# Allegro board DPU_PoE_A1_Oct-9-26.brd (continued)
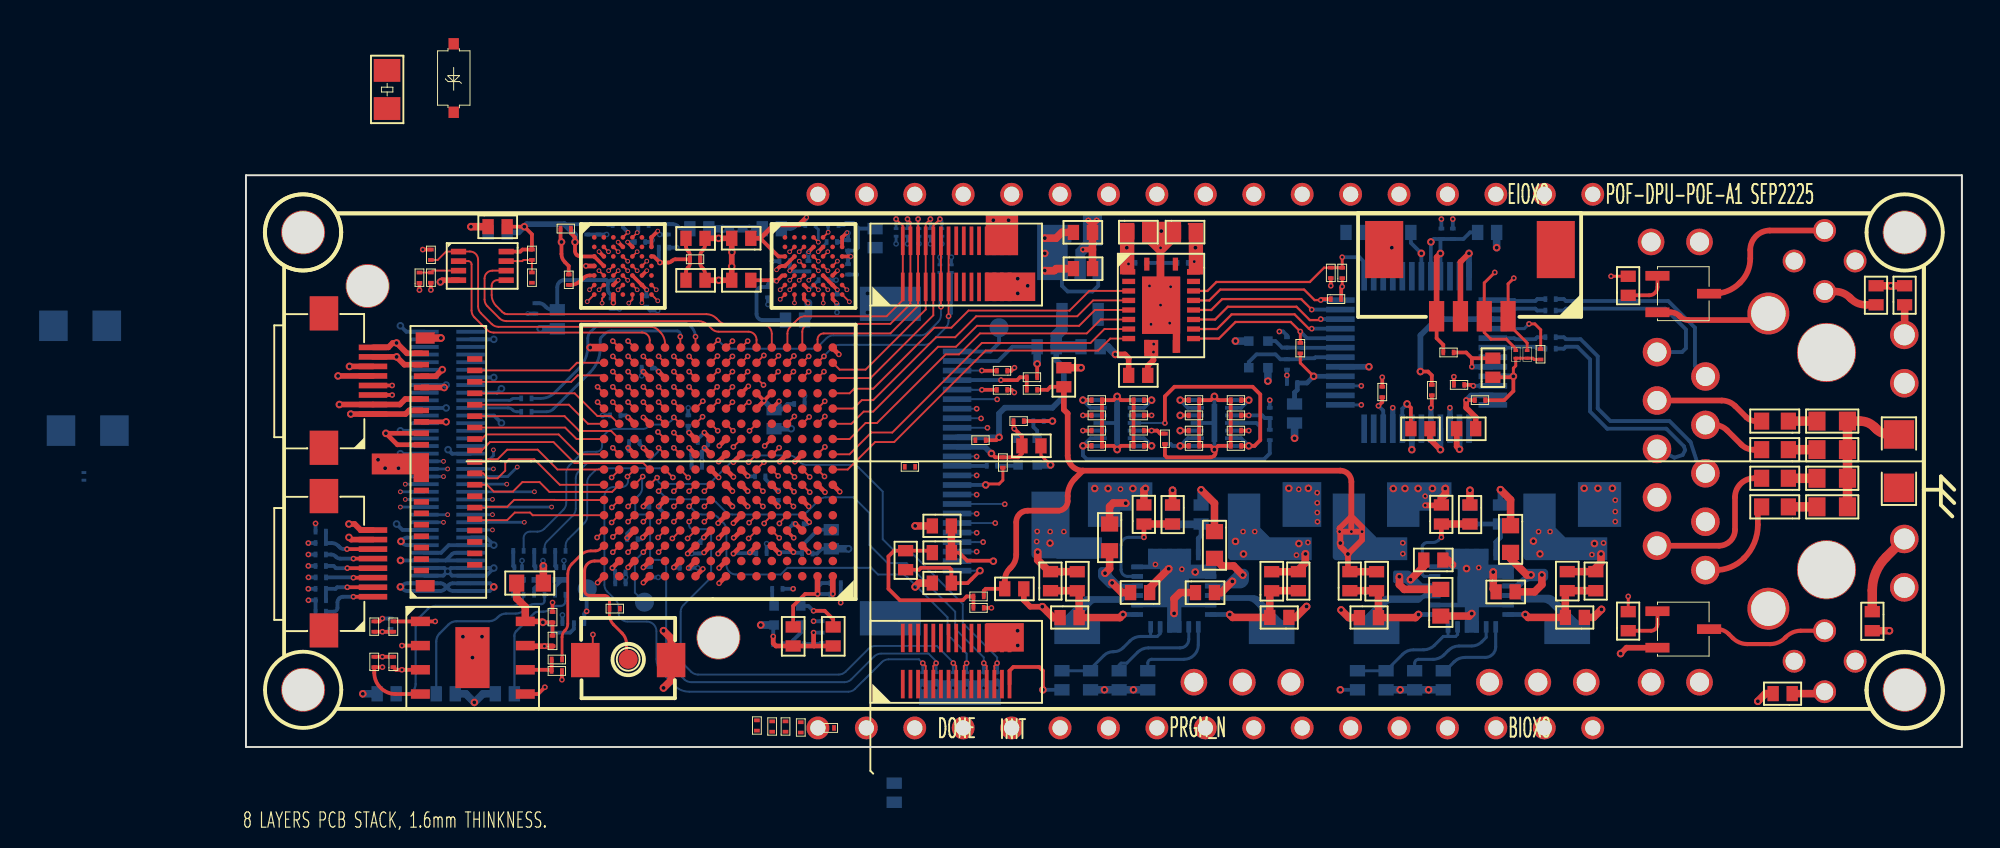
[diagram p0: board, top side]
## Routing (per net, layer and track width the routed paths; a pad name or vN(x,y) marks a point on that pad's centre or on a via; arc(x,y) is an arc through that point) (continued)
P1V5: length 13.9
  TOP w0.2: C29.1 39.35,16.1 v2(39.5,16.25)
  BOTTOM w0.3: J6.10 v2(39.5,16.25) 39.5,17.5 39.8,17.8 42.3,17.8 42.9,18.4 42.9,19.9 42.5,20.3 C48.1
  BOTTOM w0.6: C34.1 C48.1 42.5,21.6 42.8,21.9 U8.5
P1V8: length 320.7
  TOP w0.2: U2.D2 v3(28.52,24.99) ; U1.E1 18.03,24.74 arc(17.85,24.7) 17.69,24.6 17.55,24.46 arc(17.31,24.3) 17.03,24.25 C10.2 ; v3(31.02,23.99) U2.F6 U2.E5 ; v3(21.02,23.99) U1.F6 U1.E5 ; C104.1 v2(52.6,18.2) ; C9.2 23.28,25.6 23.28,25.82 arc(23.26,25.93) 23.19,26.03 23.17,26.05 arc(23.1,26.15) 23.08,26.26 C3.1 ; C9.2 22.53,25.59 arc(22.44,25.57) 22.36,25.52 22.33,25.49 arc(22.25,25.44) 22.16,25.42 v1(21.71,25.42) 21.39,25.74 U1.C7 ; C9.2 23.28,25.58 23.28,25.36 arc(23.26,25.25) 23.19,25.15 23.17,25.13 arc(23.1,25.03) 23.08,24.92 C11.1 ; U2.C7 v3(31.73,25.74) ; U2.B5 v3(30.02,25.99) ; R16.1 40.14,19.74 40.3,19.9 v1(40.31,19.9) ; C59.2 v1(7.16,6.05) R51.2 ; C12.2 27.78,24.49 v3(27.83,24.44) 28.13,24.74 U2.E1 ; C22.2 17.04,26.96 17.26,26.74 v2(17.26,26.5) 17.26,26.02 arc(17.28,25.92) 17.33,25.84 17.36,25.81 arc(17.44,25.76) 17.54,25.74 U1.C1 U1.D2 ; R17.1 40.16,18.74 v1(40.3,18.6) ; U2.C1 27.93,25.74 26.98,26.69 ; C146.2 v2(14.6,27.3) 15,26.9 R14.1 14.5,26.1 14.39,25.99 U4.8 ; R55.2 v1(7.16,4.73) C64.2 ; R52.2 C57.1 v2(15.58,6.54) ; v2(39.1,15.4) 39.3,15.2 C31.1 40.5,15.2 40.7,15.4 C66.2 40.7,16.3 v1(40.3,16.7) 40.26,16.74 C117.2 ; U2.F3 v3(29.52,23.99) ; R11.1 v1(9.27,26.1) ; U1.F3 v3(19.52,24.49) ; U7.N6 v1(27.17,18.17) 27.56,18.56 U7.N5 ; R12.1 v1(9.1,23.97) ; U1.B5 v3(20.02,26.49) ; v1(29.77,7.14) 30.36,7.14 30.8,6.7 C65.2
  TOP w0.25: U7.F13 v1(20.84,12.62) ; v1(22.44,9.42) U7.B11 ; U7.F7 v1(26.32,12.62) ; U7.C8 v1(24.77,10.14) ; v3(29.4,27.79) 29.01,27.4 27.69,27.4 26.98,26.69 C4.1 ; U7.M6 27.13,18.11 27.13,18.13 v1(27.17,18.17) ; U7.F8 v1(25.52,12.62) ; U7.E3 v1(29.55,11.79) ; v1(20.82,10.99) U7.D13 ; v1(20.84,15.7) U7.J13 ; 23.58,16.16 v1(23.24,16.5) ; U7.B13 v1(20.84,9.42) ; v1(21.64,19.7) U7.P12 ; v1(26.32,13.42) U7.G7 ; v1(24.82,15.8) 25.18,16.16 ; v1(20.04,17.3) U7.L14 ; v1(27.99,14.97) U7.J4 ; v1(27.92,12.62) U7.F5
  TOP w0.3: U9.8 15.53,6.59 v2(15.58,6.54) ; J5.8 6.02,11.38 5.7,11.7 v2(5.4,11.7) ; v2(5.5,17.47) J9.1 8.37,17.47 8.56,17.66 9.2,17.66 ; Y1.31 8.36,18.26 8.07,17.97 J9.2 v2(4.9,17.97) ; C55.2 47.3,20 47.6,20.3 v1(47.6,20.72)
  TOP w0.4: U9.8 14.65,7.35 14.2,7.8 C63.2 ; v2(41.9,26.7) 42.5,26.7 42.8,27 C17.2 ; C89.1 42.5,25.1 42.39,24.99 41.91,24.99 v2(41.9,25) ; v2(55.57,10.13) 55.56,10.12 55.56,9.66 55.2,9.3 R46.2 55.2,9.2 C52.2
  VCC-4 w0.15: 15.9,19.4 16,19.3 20.7,19.3 21.1,19.7 21.1,19.7 ; v1(21.64,19.7) 21.1,19.7 ; 21.1,19.7 20.7,20.1 15.9,20.1 15.9,20.1 ; 21.24,12.22 21.24,11.42 v1(20.82,10.99) 20.44,11.37 20.44,12.24 20.82,12.62 v1(20.84,12.62) 21.24,12.22
  VCC-4 w0.25: v2(41,24.2) 40.63,24.57 v2(40.48,24.57) v2(40.48,23.8) 40.6,23.8 v2(41,24.2) ; v2(41,24.2) 41.1,24.2 v2(41.9,25) ; v1(20.84,12.62) 20.84,13.16 20.7,13.3 17.3,13.3 16.7,13.9 16.7,17.3 ; 29.3,27.7 29.4,27.7 v3(29.4,27.79) ; 29.3,27.7 29.4,27.6 31.3,27.6 31.73,27.17 v3(31.73,25.74) 31.73,25.23 31.02,24.52 v3(31.02,23.99) 31.02,22.92 30.8,22.7 29.7,22.7 29.52,22.88 v3(29.52,23.99) ; 29.3,27.7 29.3,27.42 28.9,27.02 ; v2(41.9,26.7) v2(41.9,25.9) v2(41.9,25) ; 28.37,14.97 30.93,14.97 31.7,14.2 31.7,13.4 30.1,11.8 29.55,11.8 v1(29.55,11.79) 28.75,11.79 v1(27.92,12.62) 27.92,13.42 27.34,14 26.9,14 v1(26.32,13.42) ; 28.37,14.97 v1(27.99,14.97) ; 28.37,14.97 28.7,15.3 28.7,16.1 27.17,17.63 v1(27.17,18.17) ; 16.7,17.3 v1(20.04,17.3) 20.04,17.26 20.84,16.46 v1(20.84,15.7) 20.84,15.16 21.1,14.9 23.7,14.9 ; 16.7,17.3 15.9,18.1 ; v2(55.23,10.67) 55.23,10.19 v1(55.1,10.07) ; v2(55.23,10.67) 55.2,10.7 54.2,10.7 53.6,11.3 v1(52.91,11.3) ; v2(55.23,10.67) 55.23,11.37 53.6,13 53.6,17.2 v2(52.6,18.2) 52.4,18.4 52.4,19.2 50.88,20.72 v1(47.6,20.72) 47.61,20.73 v1(47.61,21.14) 46.86,21.14 44.8,23.2 44.8,25 ; v2(55.23,10.67) 55.64,10.67 v1(55.7,10.73) 55.7,10.26 v2(55.57,10.13) 55.51,10.07 v1(55.1,10.07) ; 15.9,18.1 15.27,17.47 v2(5.5,17.47) 5,17.97 v2(4.9,17.97) ; 15.9,18.1 15.9,23.98 17.26,25.34 ; 27.83,25 v3(27.83,24.44) ; 27.83,25 27.83,26.73 28.12,27.02 28.9,27.02 ; 27.83,25 27.84,24.99 v3(28.52,24.99) ; v2(41.9,25) 44.8,25 ; 28.9,27.02 29.3,26.62 29.3,26.4 29.71,25.99 v3(30.02,25.99) ; 23.7,14.9 24.9,14.9 25.3,14.5 25.3,12.84 v1(25.52,12.62) ; 23.7,14.9 23.92,15.12 23.92,15.82 ; v1(24.82,15.8) 24.81,15.82 23.92,15.82 ; v1(52.91,11.3) 52.8,11.19 52.8,10.7 52.32,10.22 v2(52.32,10.13) ; v1(52.91,11.3) v1(52.3,11.3) 51.9,10.9 v2(51.9,10.79) 51.9,10.55 v2(52.32,10.13) ; v1(55.1,10.07) 55.04,10.13 v2(52.32,10.13) ; v2(46.2,26.2) 46.2,25.44 v1(46.29,25.35) 45.94,25 44.8,25 ; v1(25.52,12.62) 25.42,12.62 24.8,12 24.8,10.18 v1(24.77,10.14) 23.14,10.14 22.44,9.44 v1(22.44,9.42) v1(20.84,9.42) ; v1(25.52,12.62) v1(26.32,13.42) ; v1(25.52,12.62) v1(26.32,12.62) v1(26.32,13.42) ; 17.26,25.34 18.11,24.49 v3(19.52,24.49) ; 17.26,25.34 v2(17.26,26.5) 20.02,26.5 v3(20.02,26.49) 21.11,26.49 21.7,25.9 21.7,25.43 v1(21.71,25.42) 21.71,25.11 21.02,24.42 v3(21.02,23.99) ; 23.92,15.82 v1(23.24,16.5) ; v2(39.1,15.4) 40.05,15.4 40.3,15.65 v1(40.3,16.7) v1(40.3,18.6) 40.31,18.61 v1(40.31,19.9)
  VCC-4 w0.3: v1(7.16,4.73) v1(7.16,6.05) 6.65,6.05 6.3,6.4 6.3,7.6 7,8.3 ; v1(3.28,7.7) 3.92,7.7 4.3,8.07 4.3,9.85 4.05,10.1 v1(3.27,10.1) ; v2(15.58,6.54) 13.66,6.54 13.1,7.1 11.8,7.1 11.4,7.5 7.8,7.5 7,8.3 ; v1(3.27,10.1) v1(3.27,9.5) ; v1(3.27,10.1) v1(3.27,10.7) ; 7,8.3 7,10.9 6.2,11.7 v2(5.4,11.7) ; 13.74,26.14 9.31,26.14 v1(9.27,26.1) 9.1,25.93 v1(9.1,23.97) ; 13.74,26.14 15.9,23.98 ; 13.74,26.14 14.6,26.99 v2(14.6,27.3)
  SIG-6 w0.3: v1(29.77,7.14) 27.66,7.14 27.3,7.5 26.3,7.5 24.77,9.04 v1(24.77,10.14)
  BOTTOM w0.15: C83.2 30.02,24.49 v3(29.52,23.99) ; C76.2 30.46,26.46 30.02,26.02 v3(30.02,25.99)
  BOTTOM w0.2: C88.2 15.38,23.28 arc(15.52,23.25) 15.65,23.17 15.73,23.09 arc(15.9,22.98) 16.09,22.94 C69.1 16.33,24.13 arc(16.44,24.39) 16.7,24.5 18.9,24.5 19.01,24.39 ; R39.2 30.14,5.4 C1.2 ; 19.01,24.39 arc(19.08,24.46) 19.18,24.49 19.52,24.49 v3(19.52,24.49) ; 19.01,24.39 arc(18.99,24.34) 18.98,24.29 18.98,24.01 arc(19,23.9) 19.07,23.8 19.18,23.69 C87.2 ; C141.2 7.42,6.04 7.16,6.04 v1(7.16,6.05) ; v3(27.83,24.44) 27.58,24.44 arc(27.44,24.38) 27.38,24.24 C84.2 27.06,24.13 arc(26.86,24.05) 26.78,23.85 26.78,22.72 arc(26.87,22.49) 27.1,22.4 C90.1 ; C123.2 27.9,12.64 v1(27.92,12.62) ; U8.1 42.8,24.2 43.1,23.9 44.4,23.9 44.7,24.2 U8.3 ; v1(21.71,25.42) 21.66,25.47 C78.2 ; v1(23.24,16.5) 23.2,16.54 C100.2 ; C79.2 28.52,24.99 v3(28.52,24.99) 28.56,24.96 C80.2 ; v1(20.84,9.42) 20.86,9.44 C133.2 ; 32.1,27.2 32.1,27.25 31.84,27.5 31.48,27.5 31.37,27.39 R61.1 ; 32.1,27.2 32.1,26.2 31.94,26.04 31.59,26.04 C77.2 31.58,25.89 v3(31.73,25.74) 31.58,25.59 C81.2 ; 32.1,27.2 C5.2 ; C67.1 28.56,27.19 arc(28.67,27.21) 28.77,27.28 28.79,27.3 arc(28.89,27.37) 29,27.39 R62.2 29.34,27.64 29.4,27.7 v3(29.4,27.79) ; C74.2 46.34,25.4 v1(46.29,25.35) ; v1(22.44,9.42) 22.46,9.4 C132.2 ; v1(3.28,7.7) R50.2 3.65,7.69 R85.1 ; R64.2 18.98,27.39 18.94,27.43 C71.2 C72.2 16.7,27.43 ; C96.2 28.4,18 28.1,17.7 C82.1 ; C99.2 19.94,17.4 v1(20.04,17.3) ; C117.2 40.26,16.74 v1(40.3,16.7) 40.5,16.5 Y3.4 ; C106.2 20.64,15.89 v1(20.84,15.7) ; v1(21.64,19.7) 21.44,19.9 C94.1 ; v1(29.55,11.79) 29.44,11.69 C125.2 ; v1(20.84,12.62) 20.86,12.6 C124.2 ; v3(21.02,23.99) 21,23.96 C86.2 ; C126.2 20.72,10.9 v1(20.82,10.99) ; C68.1 23.27,27.18 22.95,27.18 arc(22.8,27.21) 22.67,27.3 22.64,27.33 arc(22.52,27.41) 22.38,27.43 C70.2 21.16,27.43 R63.1 ; R89.1 v1(3.27,10.7) ; Y4.4 29.5,7.4 29.76,7.14 v1(29.77,7.14) C137.2 ; R88.1 v1(3.27,10.1) ; U5.1 v2(52.6,18.2) 52.2,17.8 U5.2 ; v2(15.58,6.54) 15.62,6.5 C140.2 16.06,6.1 16.16,6 17,6 17.2,6.2 R48.1 ; R87.1 v1(3.27,9.5) ; C85.2 31,23.97 v3(31.02,23.99) ; v3(20.02,26.49) 20.02,26.5 C75.2
  BOTTOM w0.3: v2(17.26,26.5) 17.26,26.88 16.7,27.43 14.73,27.43 v2(14.6,27.3) 14.3,27 C6.2 ; v2(39.1,15.4) 38.75,15.75 J6.11 ; C82.1 27.64,17.7 v1(27.17,18.17)
P2V8: length 42.2
  TOP w0.2: C24.1 38.8,8.3 38.7,8.2 FB3.1 ; C23.2 42.2,18.9 42.04,18.74 FB1.1
  TOP w0.3: 57.98,12.1 57.98,13.92 arc(57.81,14.33) 57.4,14.5 43.9,14.5 ; 57.98,12.1 58.54,11.54 v1(58.54,11.3) ; 57.98,12.1 v1(57.98,11.3) ; 57.98,12.1 57.36,11.48 v1(57.36,11.3) ; v1(57.36,11.3) 57.4,11.26 v2(57.4,10.7) 57.4,10.53 v2(57.8,10.13) ; v1(57.36,11.3) v1(57.98,11.3) ; v1(58.54,11.3) 58.54,10.87 v2(57.8,10.13) ; v1(58.54,11.3) v1(57.98,11.3) ; v2(57.8,10.13) 57.8,9.3 R9.2 ; C23.2 42.9,17.7 43.1,17.5 43.1,15.3 arc(43.33,14.73) 43.9,14.5 ; 43.9,14.5 43.48,14.08 arc(43.2,13.66) 43.1,13.16 43.1,12.9 arc(42.95,12.55) 42.6,12.4 41,12.4 arc(40.58,12.22) 40.4,11.8 40.4,10.09 arc(40.33,9.73) 40.12,9.42 40.06,9.36 arc(39.87,9.07) 39.8,8.73 C24.1
  TOP w0.4: R9.2 57.91,9.2 C16.2
  vias: v1(60.68,10.71) v1(60.68,10.14)
P3V3: length 179.1
  TOP w0.157: v2(56,19.45) 55.3,20.15 R24.2 ; v1(57.5,24.16) R10.1
  TOP w0.2: J8.4 62.45,21.45 62.8,21.1 FB2.1 ; R21.2 57.44,24.1 v1(57.5,24.16) ; C119.1 v2(47.5,18.2) ; C102.1 v2(47.5,15.8)
  TOP w0.3: v2(62.65,25.9) 62.45,25.7 J8.4 ; Y1.37 8.31,20.06 v2(7.9,20.47) J9.7 ; J9.8 7.47,20.97 7.7,21.2 v2(7.9,21.2) 8.44,20.66 9.2,20.66
  TOP w0.4: R7.2 v2(86.27,24.2) R6.2 ; C15.2 R8.2 70.8,9.4 71.07,9.67 v2(71.07,10.13) ; R60.2 79.7,2.8 v2(79.3,2.4) ; R49.2 v2(86.2,6.1)
  VCC-4 w0.102: 70.63,10.13 v1(70.6,10.09)
  VCC-4 w0.25: v2(61.65,25.9) 61.65,26 v2(62.15,26.5) 62.15,26.4 v2(62.65,25.9) v2(61.65,25.9) ; v2(61.65,25.9) 61.65,24.55 60.9,23.8 58.2,23.8 ; v1(68.4,11.3) 68.4,10.65 v2(67.87,10.13) ; v1(68.4,11.3) 68.9,11.3 ; v1(68.4,11.3) v1(67.8,11.3) 67.53,11.03 v2(67.53,10.8) 67.5,10.77 67.5,10.5 v2(67.87,10.13) ; v2(67.87,10.13) 67.91,10.09 v1(70.6,10.09) ; 58.2,23.8 57.9,24.1 57.56,24.1 v1(57.5,24.16) 57.83,24.49 57.83,24.84 56.47,26.2 v2(49.8,26.2) 49.8,25.53 v1(49.74,25.47) ; 58.2,23.8 58.2,22.1 56,19.9 v2(56,19.45) 56,18.3 57.6,16.7 66.6,16.7 68.9,14.4 68.9,11.3 ; 68.9,11.3 70.1,11.3 v2(70.73,10.67) ; v2(70.73,10.67) 70.73,10.22 70.63,10.13 v2(71.07,10.13) 71.2,10.26 v1(71.2,10.71) 71.17,10.67 v2(70.73,10.67)
  SIG-6 w0.25: 46.86,18.2 46.5,17.84 46.5,16.2 46.9,15.8 v2(47.5,15.8) 47.5,15.1 47.1,14.7 43.8,14.7 43.3,14.2 43.3,12.9 44.2,12 44.2,10.2 43,9 41.3,9 40.47,8.17 v2(40.47,6.1) ; 46.86,18.2 v2(47.5,18.2) ; 46.86,18.2 46.86,18.96 47.5,19.6 49.2,19.6 49.74,20.14 v1(49.74,25.47) 49.74,26.14 v2(49.8,26.2) ; 6.9,20.47 6.5,20.07 6.5,16.7 4.5,14.7 4.5,5.7 6.9,3.3 13.7,3.3 14.5,2.5 16.7,2.5 17.4,3.2 31.3,3.2 34.2,6.1 v2(40.47,6.1) ; 6.9,20.47 6.9,20.9 7.2,21.2 v2(7.9,21.2) ; 6.9,20.47 v2(7.9,20.47) ; v2(40.47,6.1) 40.47,5.33 v2(40.48,5.33)
  BOTTOM w0.2: C73.2 62.65,26.61 v2(62.65,25.9) U12.45 ; C73.2 C91.2 63.86,26.66 64.2,27 C92.1 ; C73.2 62.31,26.66 v2(62.15,26.5) U12.44 ; U6.2 47.1,17.8 v2(47.5,18.2) U6.1 ; U6.7 v2(47.5,15.8) 47.1,16.2 U6.6 ; 61.1,26.9 61.1,26.45 v2(61.65,25.9) U12.43 ; C2.1 49.67,25.4 v1(49.74,25.47)
  BOTTOM w0.25: C40.2 55,18.6 55.14,18.74 C27.2 55.65,19.1 v2(56,19.45) U12.28
P3V3A: length 15.1
  TOP w0.157: v1(67.3,22.2) 67.6,22.2 67.91,21.89 67.91,20.88 C37.2
  TOP w0.2: C46.2 62.2,17.85 v1(62.15,17.8) ; C41.2 v1(64,18.2) ; 64.3,20.4 C36.2 ; 64.3,20.4 v1(64.3,19.95) ; 64.3,20.4 64,20.7 FB2.2
  TOP w0.3: C45.2 64.5,17.3 64,17.8 v1(64,18.2)
  BOTTOM w0.157: U12.4 67.05,21.95 v1(67.3,22.2)
  BOTTOM w0.28: U12.15 v1(63.15,17.8) ; U12.8 v1(64.3,19.95) ; v1(64,18.2) 64.25,18.45 U12.11 ; U12.21 v1(60.15,17.8) ; U12.17 v1(62.15,17.8)
P5V0: length 200.9
  TOP w0.2: C121.1 v2(52.6,15.8) 52.9,15.8 53.2,16.1 53.2,18.5 52.8,18.9 48.7,18.9 48.2,18.4 v1(48.2,17)
  TOP w0.4: v2(45.43,8.61) 45.94,8.1 C51.2 ; R18.1 v2(64.2,13.47) ; v2(51.74,8.69) 51.15,8.1 C13.2 ; C20.2 66.33,9.88 67.18,9.03 v2(67.4,9.03) ; C21.2 60.75,8.27 60.5,8.52 v2(60.5,8.93) ; C61.2 45.3,9.36 v2(45.06,9.12) ; C62.2 51.2,9.5 51.81,9.5 v2(52.28,9.02) ; v2(61.08,8.78) 61.78,9.48 C14.2 ; R57.1 v2(48.6,13.47) ; C50.2 67.59,8.14 67.97,8.52 v2(67.97,9.03)
  SIG-3 w0.25: 7.2,2.8 6,4 6,5.1 4.5,6.6 4.5,13.9 5.03,14.43 5.63,14.43 ; 7.2,2.8 7.6,3.2 11.98,3.2 ; 7.2,2.8 6.14,2.8 v2(6.13,2.79) ; 5.63,14.43 6.27,15.07 v2(6.93,15.07) 6.93,15 v2(7.3,14.63) ; 5.63,14.43 5.96,14.1 6.77,14.1 v2(7.3,14.63) ; v2(8,14.63) v2(7.3,14.63) ; 44.3,8 44.3,8.36 v2(45.06,9.12) ; 44.3,8 44.3,6.6 41.7,4 40.4,4 39.5,3.1 32.9,3.1 32.3,2.5 14.5,2.5 13.8,3.2 11.98,3.2 ; 44.3,8 44.82,8 v2(45.43,8.61) ; 11.98,3.2 v2(11.98,2.34)
  VCC-4 w0.25: v2(64.2,13.47) 64.2,12.23 v2(67.4,9.03) ; 49.33,11.1 v2(51.74,8.69) ; 49.33,11.1 48.6,11.83 v2(48.6,13.47) ; 49.33,11.1 51.4,13.17 51.4,14.6 v2(52.6,15.8)
  VCC-4 w0.5: 47.2,5.5 45,5.5 ; 47.2,5.5 50,5.5 ; 47.2,5.5 47.2,8.1 46.69,8.61 v2(45.43,8.61) 45.06,8.98 v2(45.06,9.12) 44.32,9.12 43.7,8.5 43.7,6.8 45,5.5 ; 47.2,5.5 46.55,4.85 v2(46.55,3) ; 45,5.5 45,3.03 v2(45.03,3) ; 69.1,5.5 70.3,4.3 J10.1 ; 69.1,5.5 69.1,7.9 v2(67.97,9.03) v2(67.4,9.03) 65.8,7.43 65.8,5.5 ; 69.1,5.5 65.8,5.5 ; 62,5.5 63.1,5.5 ; 62,5.5 60.6,5.5 ; 62,5.5 62.03,5.47 v2(62.03,3) ; 63.1,5.5 63.1,7.6 61.92,8.78 v2(61.08,8.78) 60.93,8.93 v2(60.5,8.93) 59.73,8.93 59.2,8.4 59.2,5.5 ; 63.1,5.5 65.8,5.5 ; 54.8,5.5 59.2,5.5 ; 54.8,5.5 53.7,5.5 ; 54.8,5.5 J11.1 ; 59.2,5.5 60.6,5.5 ; 50,5.5 50,6.95 v2(51.74,8.69) 51.95,8.69 v2(52.28,9.02) 53.7,7.61 53.7,5.5 ; 50,5.5 53.7,5.5 ; 60.6,5.5 60.54,5.44 v2(60.54,3)
  BOTTOM w0.102: U6.4 v1(48.2,17)
  BOTTOM w0.2: U5.7 v2(52.6,15.8) ; v2(52.6,15.8) 52.9,15.8 53.2,16.1 53.2,16.8 53,17 U5.4 ; v2(52.6,15.8) 52.2,16.2 U5.6
  BOTTOM w0.3: R18.1 v2(64.2,13.47)
  BOTTOM w0.4: D18.2 v2(6.13,2.79) ; R76.2 v2(46.55,3) R77.2 v2(45.03,3) R35.2 ; R84.2 v2(48.6,13.47) ; R65.2 v2(62.03,3) R66.2 v2(60.54,3) R1.2 ; D19.2 11.53,2.79 v2(11.98,2.34) 12.43,2.79 D17.2
ACTLED: length 33
  SIG-6 w0.15: U13.12 83.53,15.63 75.77,15.63 74.49,16.91 61.69,16.91 61.4,17.2 61.4,18.2 60.9,18.7 58.75,18.7 v1(58.5,18.95)
  BOTTOM w0.15: U12.27 v1(58.5,18.95)
BIO-3: length 0.5
  TOP w0.102: v1(22.44,13.42) U7.G11
BIO-9: length 0.6
  TOP w0.102: v1(23.2,14.14) U7.H11
C13: length 3.5
  TOP w0.102: v1(20.84,10.22) U7.C13
  BOTTOM w0.102: v1(20.84,10.22) 20.4,9.78 20.4,8.1 TP8.1
CENTER12: length 16.1
  TOP w0.3: U13.3 77.41,18.18 arc(77.79,18.1) 78.11,17.89 78.7,17.3 arc(78.92,17.15) 79.18,17.1 C28.2
  VCC-4 w0.6: J12.1 73.7,23.4 72,21.7 72,19.6 73.42,18.18 U13.3
CENTER56: length 15.2
  TOP w0.3: C33.2 79.08,15.6 arc(78.73,15.67) 78.43,15.87 77.69,16.61 arc(77.37,16.83) 77,16.9 U13.4
  VCC-4 w0.6: U13.4 77.2,16.9 78.6,18.3 78.6,20.45 76.24,22.81 J12.2
DBG_RXD: length 49.4
  TOP w0.157: v1(66.5,24.6) 66.2,24.3 J8.1 66.2,22.2 67.2,21.2 D21.2 ; 27.58,16.16 27.57,16.16 v1(27.21,15.8)
  SIG-3 w0.102: v1(66.5,24.6) 66.5,25 66.1,25.4 64.9,25.4 64.2,24.7 61.5,24.7 61,25.2 54.7,25.2 54,24.5 49.4,24.5 49,24.9 46.7,24.9 44.4,22.6 37.8,22.6 31.6,16.4 30.3,16.4 30,16.1 27.51,16.1 v1(27.21,15.8)
DBG_TXD: length 49.3
  TOP w0.102: v1(27.16,14.94) U7.H6
  TOP w0.157: v1(65.5,24.9) 64.95,24.35 J8.2 64.95,21.75 65.3,21.4 66.1,21.4 66.6,20.9 D22.2
  SIG-3 w0.102: v1(27.16,14.94) 27.16,14.96 27.54,15.34 28.86,15.34 29.1,15.1 31,15.1 38.1,22.2 45.5,22.2 46,22.7 48.3,22.7 49.1,23.5 54.75,23.5 55.95,24.7 60.5,24.7 61.2,24 64.6,24 v1(65.5,24.9)
DONE: length 7.4
  TOP w0.16: TP4.1 19.96,4.69 19.96,5.41 arc(19.9,5.71) 19.73,5.97 19.28,6.42 arc(19.12,6.65) 19.07,6.93 R53.1 19.07,7.69 arc(18.99,7.87) 18.81,7.95 18.01,7.95 arc(17.83,8.02) 17.76,8.2 17.76,9.24 arc(17.91,9.61) 18.28,9.76 U7.B16
DVP_D0: length 17.9
  TOP w0.102: v1(27.98,11.73) 27.98,11.76 U7.E4
  SIG-6 w0.102: v1(39.3,11.75) 36.45,11.75 arc(36.34,11.71) 36.3,11.6 36.3,10.85 arc(36.2,10.6) 35.95,10.5 31.71,10.5 arc(31.52,10.46) 31.35,10.35 30.75,9.75 arc(30.58,9.64) 30.39,9.6 27.7,9.6 arc(27.58,9.65) 27.53,9.77 27.53,11.03 arc(27.55,11.17) 27.61,11.3 27.66,11.38 arc(27.69,11.42) 27.73,11.47 27.8,11.54 27.8,11.54 v1(27.98,11.73)
  BOTTOM w0.102: J6.19 v1(39.3,11.75)
DVP_D1: length 19.1
  TOP w0.102: v1(26.39,11.77) U7.E6
  SIG-6 w0.102: v1(38.67,10.75) 37.69,10.75 37.52,10.58 arc(37.42,10.42) 37.38,10.24 37.38,9.88 36.6,9.1 36.29,9.1 36.19,9.2 36.19,9.4 36.09,9.5 35.89,9.5 35.78,9.4 35.78,9.2 35.68,9.1 35.48,9.1 35.38,9.2 35.38,9.4 35.28,9.5 35.07,9.5 34.97,9.4 34.97,9.2 34.87,9.1 31.96,9.1 31.56,8.7 27.1,8.7 26.8,9 26.8,11.36 v1(26.39,11.77)
  BOTTOM w0.102: J6.21 38.23,10.75 38.24,10.75 v1(38.67,10.75)
DVP_D2: length 17.6
  TOP w0.102: v1(26.36,10.94) U7.D6
  SIG-6 w0.102: v1(26.36,10.94) 26.2,10.78 26.2,8.8 26.7,8.3 27.8,8.3 28.2,7.9 29.2,7.9 29.7,8.4 36.76,8.4 arc(36.8,8.41) 36.83,8.43 37.73,9.33 arc(37.8,9.44) 37.83,9.57 arc(37.9,9.94) 38.11,10.25 v1(38.33,10.25)
  BOTTOM w0.102: J6.22 v1(38.33,10.25)
DVP_D3: length 17.6
  TOP w0.102: v1(27.18,11.73) 27.18,11.76 U7.E5
  SIG-6 w0.102: v1(27.18,11.73) 27.18,9.33 arc(27.25,9.17) 27.41,9.1 30.85,9.1 arc(31.04,9.14) 31.21,9.25 31.81,9.85 arc(31.98,9.96) 32.17,10 32.89,10 32.99,9.9 32.99,9.7 33.09,9.6 33.3,9.6 33.4,9.7 33.4,9.9 33.5,10 33.7,10 33.8,9.9 33.8,9.7 33.91,9.6 34.11,9.6 34.21,9.7 34.21,9.9 34.31,10 36.39,10 arc(36.75,10.15) 36.9,10.51 36.9,10.73 arc(37.05,11.09) 37.41,11.24 v1(38.33,11.24)
  BOTTOM w0.102: J6.20 38.32,11.25 v1(38.33,11.24)
DVP_D4: length 18
  TOP w0.102: v1(27.97,10.97) U7.D5
  SIG-6 w0.102: v1(27.97,10.97) 28.19,10.75 arc(28.36,10.64) 28.55,10.6 29.18,10.6 arc(29.29,10.62) 29.38,10.68 29.48,10.78 arc(29.55,10.81) 29.62,10.78 30.18,10.22 arc(30.25,10.19) 30.32,10.22 30.47,10.37 arc(30.5,10.44) 30.47,10.51 29.91,11.07 arc(29.88,11.14) 29.91,11.21 30.05,11.35 arc(30.13,11.38) 30.2,11.35 30.75,10.8 arc(30.83,10.77) 30.9,10.8 31.04,10.94 arc(31.07,11.01) 31.04,11.09 30.49,11.64 arc(30.46,11.71) 30.49,11.79 30.7,12 arc(30.95,12.1) 31.2,12 31.27,11.93 arc(31.37,11.79) 31.4,11.61 31.4,11.4 arc(31.52,11.12) 31.8,11 35.5,11 arc(35.71,11.09) 35.8,11.3 35.8,12 arc(35.87,12.17) 36.04,12.24 v1(38.33,12.24)
  BOTTOM w0.102: J6.18 38.32,12.25 v1(38.33,12.24)
DVP_D5: length 18
  TOP w0.102: U7.F6 v1(27.12,12.62)
  SIG-6 w0.102: v1(38.33,13.24) 37.21,13.24 arc(37.09,13.22) 36.99,13.15 36.97,13.13 arc(36.94,13.11) 36.89,13.1 32.87,13.1 32.79,13.01 32.12,13.01 arc(32.09,13) 32.05,12.98 arc(32.01,12.95) 31.95,12.94 26.83,12.94 arc(26.72,12.98) 26.68,13.09 26.68,13.54 arc(26.6,13.72) 26.42,13.8 26.06,13.8 arc(25.93,13.75) 25.88,13.62 25.88,12.24 arc(25.91,12.17) 25.98,12.14 27.03,12.14 arc(27.1,12.17) 27.13,12.24 27.13,12.61 v1(27.12,12.62)
  BOTTOM w0.102: J6.16 38.32,13.25 v1(38.33,13.24)
DVP_D6: length 17.7
  TOP w0.102: v1(29.57,13.37) U7.G3
  SIG-6 w0.102: v1(29.57,13.37) 30.08,13.37 30.18,13.47 30.18,13.6 30.28,13.7 30.48,13.7 30.59,13.6 30.59,13.47 30.69,13.37 30.89,13.37 30.99,13.47 30.99,13.6 31.09,13.7 31.3,13.7 31.4,13.6 31.4,13.47 31.5,13.37 31.77,13.37 32.2,13.8 32.7,13.8 33.15,14.25 33.38,14.25 33.48,14.15 33.48,13.6 33.58,13.5 33.78,13.5 33.89,13.6 33.89,14.15 33.99,14.25 34.19,14.25 34.29,14.15 34.29,13.6 34.39,13.5 34.6,13.5 34.7,13.6 34.7,14.15 34.8,14.25 35,14.25 35.11,14.15 35.11,13.6 35.21,13.5 35.41,13.5 35.51,13.6 35.51,14.15 35.61,14.25 35.82,14.25 35.92,14.15 35.92,13.6 36.02,13.5 36.22,13.5 36.33,13.6 36.33,14.15 36.43,14.25 36.87,14.25 36.97,14.15 36.97,13.7 37.07,13.6 37.28,13.6 37.38,13.7 37.38,14.15 37.48,14.25 v1(38.33,14.25)
  BOTTOM w0.102: J6.14 v1(38.33,14.25)
DVP_D7: length 17.7
  TOP w0.102: v1(30.34,14.19) U7.H2
  SIG-6 w0.102: v1(30.34,14.19) 30.38,14.15 30.52,14.15 arc(30.63,14.2) 30.68,14.31 30.68,14.43 arc(30.6,14.61) 30.42,14.69 29.58,14.69 arc(29.46,14.71) 29.37,14.78 29.34,14.8 arc(29.31,14.88) 29.34,14.95 29.36,14.97 arc(29.44,15.02) 29.54,15.04 31.17,15.04 arc(31.49,14.9) 31.63,14.58 31.63,14.28 arc(31.69,14.15) 31.82,14.09 31.84,14.09 arc(31.97,14.15) 32.03,14.28 32.03,15.14 arc(31.99,15.25) 31.88,15.29 31.85,15.29 arc(31.72,15.32) 31.61,15.39 31.61,15.39 arc(31.56,15.5) 31.61,15.62 31.62,15.63 arc(31.69,15.67) 31.77,15.69 32.29,15.69 arc(32.42,15.63) 32.48,15.5 32.48,15.41 arc(32.5,15.3) 32.57,15.21 arc(32.67,15.16) 32.77,15.21 32.8,15.24 arc(32.83,15.28) 32.84,15.33 32.84,15.55 arc(32.85,15.6) 32.88,15.64 32.89,15.65 arc(32.93,15.68) 32.98,15.69 33.4,15.69 arc(33.45,15.7) 33.49,15.73 33.51,15.74 arc(33.53,15.78) 33.54,15.83 33.54,15.85 arc(33.55,15.9) 33.58,15.94 33.59,15.95 arc(33.63,15.98) 33.68,15.99 33.7,15.99 arc(33.75,15.98) 33.79,15.95 33.81,15.94 arc(33.84,15.89) 33.85,15.84 33.85,15.82 arc(33.88,15.74) 33.95,15.71 34.04,15.71 arc(34.08,15.72) 34.12,15.74 arc(34.14,15.78) 34.15,15.83 34.15,15.85 arc(34.16,15.9) 34.19,15.94 arc(34.22,15.96) 34.26,15.97 34.35,15.97 arc(34.39,15.96) 34.42,15.94 arc(34.45,15.89) 34.46,15.84 arc(34.5,15.75) 34.58,15.71 34.76,15.71 arc(34.8,15.72) 34.83,15.74 34.98,15.89 arc(35.17,15.97) 35.35,15.89 35.45,15.79 arc(35.54,15.73) 35.64,15.71 35.87,15.71 arc(35.91,15.72) 35.94,15.74 arc(35.97,15.78) 35.98,15.83 35.98,15.85 arc(35.99,15.9) 36.02,15.94 36.03,15.95 arc(36.07,15.98) 36.12,15.99 36.14,15.99 arc(36.19,15.98) 36.23,15.95 36.25,15.93 arc(36.28,15.89) 36.29,15.84 arc(36.33,15.75) 36.42,15.71 36.66,15.71 arc(36.89,15.67) 37.08,15.54 37.23,15.39 arc(37.4,15.28) 37.59,15.24 v1(38.33,15.24)
  BOTTOM w0.102: J6.12 38.33,15.25 v1(38.33,15.24)
DVP_HSYNC: length 18.7
  TOP w0.102: v1(29.57,14.17) U7.H3
  SIG-6 w0.102: v1(29.57,14.17) 29.62,14.12 29.62,13.94 arc(29.58,13.83) 29.47,13.79 29.36,13.79 29.17,13.94 29.17,14.34 28.62,14.88 28.62,15.22 28.74,15.34 29.17,15.34 arc(29.36,15.38) 29.53,15.49 arc(29.6,15.66) 29.53,15.84 29.41,15.96 arc(29.36,16.09) 29.41,16.22 29.43,16.24 arc(29.57,16.33) 29.74,16.37 29.78,16.37 arc(29.92,16.31) 29.98,16.17 29.98,15.52 arc(30.02,15.44) 30.1,15.4 30.45,15.4 arc(30.65,15.48) 30.73,15.68 30.73,15.7 arc(30.83,15.94) 31.07,16.04 32.7,16.04 arc(32.79,16.08) 32.83,16.17 32.83,16.56 arc(32.86,16.63) 32.93,16.66 33.16,16.66 33.23,16.59 33.23,16.4 arc(33.24,16.34) 33.27,16.3 33.29,16.28 arc(33.33,16.25) 33.39,16.24 33.42,16.24 arc(33.48,16.25) 33.53,16.29 33.57,16.33 arc(33.61,16.4) 33.63,16.48 33.63,16.59 arc(33.66,16.66) 33.73,16.69 33.84,16.69 arc(34.02,16.66) 34.16,16.56 34.3,16.42 arc(34.55,16.31) 34.81,16.42 34.92,16.53 arc(35.16,16.63) 35.39,16.53 35.48,16.44 arc(35.63,16.38) 35.78,16.44 35.85,16.51 arc(36.05,16.59) 36.26,16.51 36.27,16.5 arc(36.48,16.41) 36.69,16.5 36.78,16.59 arc(36.95,16.7) 37.14,16.74 38.88,16.74 v1(38.89,16.75)
  BOTTOM w0.102: v1(38.89,16.75) J6.9
DVP_MCLK: length 1.6
  BOTTOM w0.2: R30.2 38.85,14.75 J6.13
DVP_PCLK: length 17.9
  TOP w0.102: v1(28.72,12.62) U7.F4
  SIG-6 w0.102: v1(28.72,12.62) 28.84,12.5 arc(28.95,12.43) 29.09,12.4 32.07,12.4 arc(32.14,12.37) 32.17,12.3 32.17,11.8 arc(32.2,11.73) 32.28,11.7 32.48,11.7 arc(32.55,11.73) 32.58,11.8 32.58,12.3 arc(32.61,12.37) 32.68,12.4 32.89,12.4 arc(32.96,12.37) 32.99,12.3 32.99,11.8 arc(33.02,11.73) 33.09,11.7 33.29,11.7 arc(33.36,11.73) 33.39,11.8 33.39,12.3 arc(33.42,12.37) 33.49,12.4 33.7,12.4 arc(33.77,12.37) 33.8,12.3 33.8,11.8 arc(33.83,11.73) 33.9,11.7 34.1,11.7 arc(34.18,11.73) 34.21,11.8 34.21,12.3 arc(34.24,12.37) 34.31,12.4 34.79,12.4 arc(34.98,12.44) 35.15,12.55 35.19,12.59 arc(35.36,12.7) 35.55,12.74 v1(39.8,12.74)
  BOTTOM w0.102: v1(39.8,12.74) 39.79,12.75 J6.17
DVP_PWDN: length 10.8
  TOP w0.102: v1(30.36,15.74) U7.J2
  SIG-6 w0.102: v1(30.36,15.74) 30.36,16.23 arc(30.41,16.32) 30.5,16.37 31.89,16.37 arc(32.09,16.4) 32.25,16.51 32.58,16.84 arc(32.75,16.95) 32.94,16.99 36.36,16.99 arc(36.52,17.02) 36.65,17.11 36.66,17.12 arc(36.79,17.21) 36.95,17.24 v1(38.56,17.24)
  BOTTOM w0.102: v1(38.56,17.24) 38.55,17.25 J6.8
DVP_RST: length 15.5
  TOP w0.102: v1(27.96,15.71) 27.62,15.36 U7.J5
  SIG-6 w0.102: v1(27.96,15.71) 27.96,15.93 arc(28,16.11) 28.11,16.27 28.63,16.79 arc(28.8,16.9) 28.99,16.94 31.32,16.94 arc(31.51,16.98) 31.68,17.09 32.03,17.44 arc(32.2,17.55) 32.39,17.59 32.57,17.59 arc(32.76,17.63) 32.93,17.74 33.63,18.44 arc(33.8,18.55) 33.99,18.59 36.37,18.59 arc(36.56,18.55) 36.73,18.44 36.78,18.39 arc(36.95,18.28) 37.14,18.24 v1(39.4,18.24)
  BOTTOM w0.102: J6.6 39.39,18.25 v1(39.4,18.24)
DVP_SCL: length 12.4
  TOP w0.102: v1(29.54,17.32) U7.L3
  TOP w0.2: v1(38.6,18.74) R17.2
  SIG-6 w0.102: v1(38.6,18.74) 37.39,18.74 arc(37.24,18.77) 37.11,18.86 37.08,18.89 arc(36.94,18.99) 36.76,19.02 33.64,19.02 arc(33.45,18.98) 33.28,18.87 32.63,18.22 arc(32.56,18.17) 32.47,18.16 32.45,18.16 arc(32.36,18.14) 32.29,18.09 32.04,17.84 arc(31.87,17.73) 31.68,17.69 29.91,17.69 v1(29.54,17.32)
  BOTTOM w0.102: v1(38.6,18.74) 38.1,18.74 38.09,18.75 J6.5
DVP_SDA: length 11.4
  TOP w0.102: v1(30.36,18.14) U7.M2
  TOP w0.2: R16.2 38.61,19.74 v1(38.6,19.75)
  SIG-6 w0.102: v1(38.6,19.75) 36.78,19.75 arc(36.57,19.71) 36.39,19.59 36.37,19.57 arc(36.23,19.47) 36.05,19.44 33.25,19.44 arc(33.06,19.4) 32.89,19.29 31.9,18.3 arc(31.73,18.19) 31.54,18.15 30.37,18.15 v1(30.36,18.14)
  BOTTOM w0.102: J6.3 v1(38.6,19.75)
DVP_VSYNC: length 17.8
  TOP w0.102: v1(28.77,14.17) U7.H4
  SIG-6 w0.102: v1(28.77,14.17) 28.77,13.89 arc(28.74,13.82) 28.67,13.79 27.78,13.79 arc(27.6,13.86) 27.53,14.04 27.53,15.09 arc(27.59,15.24) 27.74,15.3 27.96,15.3 arc(28.13,15.33) 28.26,15.42 28.32,15.48 arc(28.47,15.58) 28.66,15.62 28.68,15.62 arc(28.82,15.68) 28.88,15.82 28.88,16.27 arc(29,16.57) 29.3,16.69 31.67,16.69 arc(31.86,16.73) 32.03,16.84 32.33,17.14 arc(32.5,17.25) 32.69,17.29 32.97,17.29 arc(33.16,17.33) 33.33,17.44 33.49,17.6 arc(33.64,17.7) 33.82,17.74 33.84,17.74 arc(34.02,17.78) 34.17,17.88 34.23,17.94 arc(34.34,17.98) 34.44,17.94 34.48,17.9 arc(34.52,17.83) 34.54,17.75 34.54,17.73 arc(34.56,17.65) 34.6,17.58 34.64,17.54 arc(34.74,17.5) 34.85,17.54 34.88,17.58 arc(34.93,17.65) 34.95,17.73 34.95,17.75 arc(34.96,17.83) 35.01,17.9 35.05,17.94 arc(35.15,17.98) 35.25,17.94 35.29,17.9 arc(35.34,17.83) 35.35,17.75 35.35,17.73 arc(35.37,17.65) 35.42,17.58 35.45,17.54 arc(35.56,17.5) 35.66,17.54 35.7,17.58 arc(35.74,17.65) 35.76,17.73 35.76,17.75 arc(35.78,17.83) 35.82,17.9 35.86,17.94 arc(35.96,17.98) 36.07,17.94 36.17,17.83 arc(36.28,17.76) 36.4,17.74 38.16,17.74 38.17,17.75 v1(38.33,17.75)